# Altium PCB BW2098POE.PcbDoc (part 4 of 4) (continued)
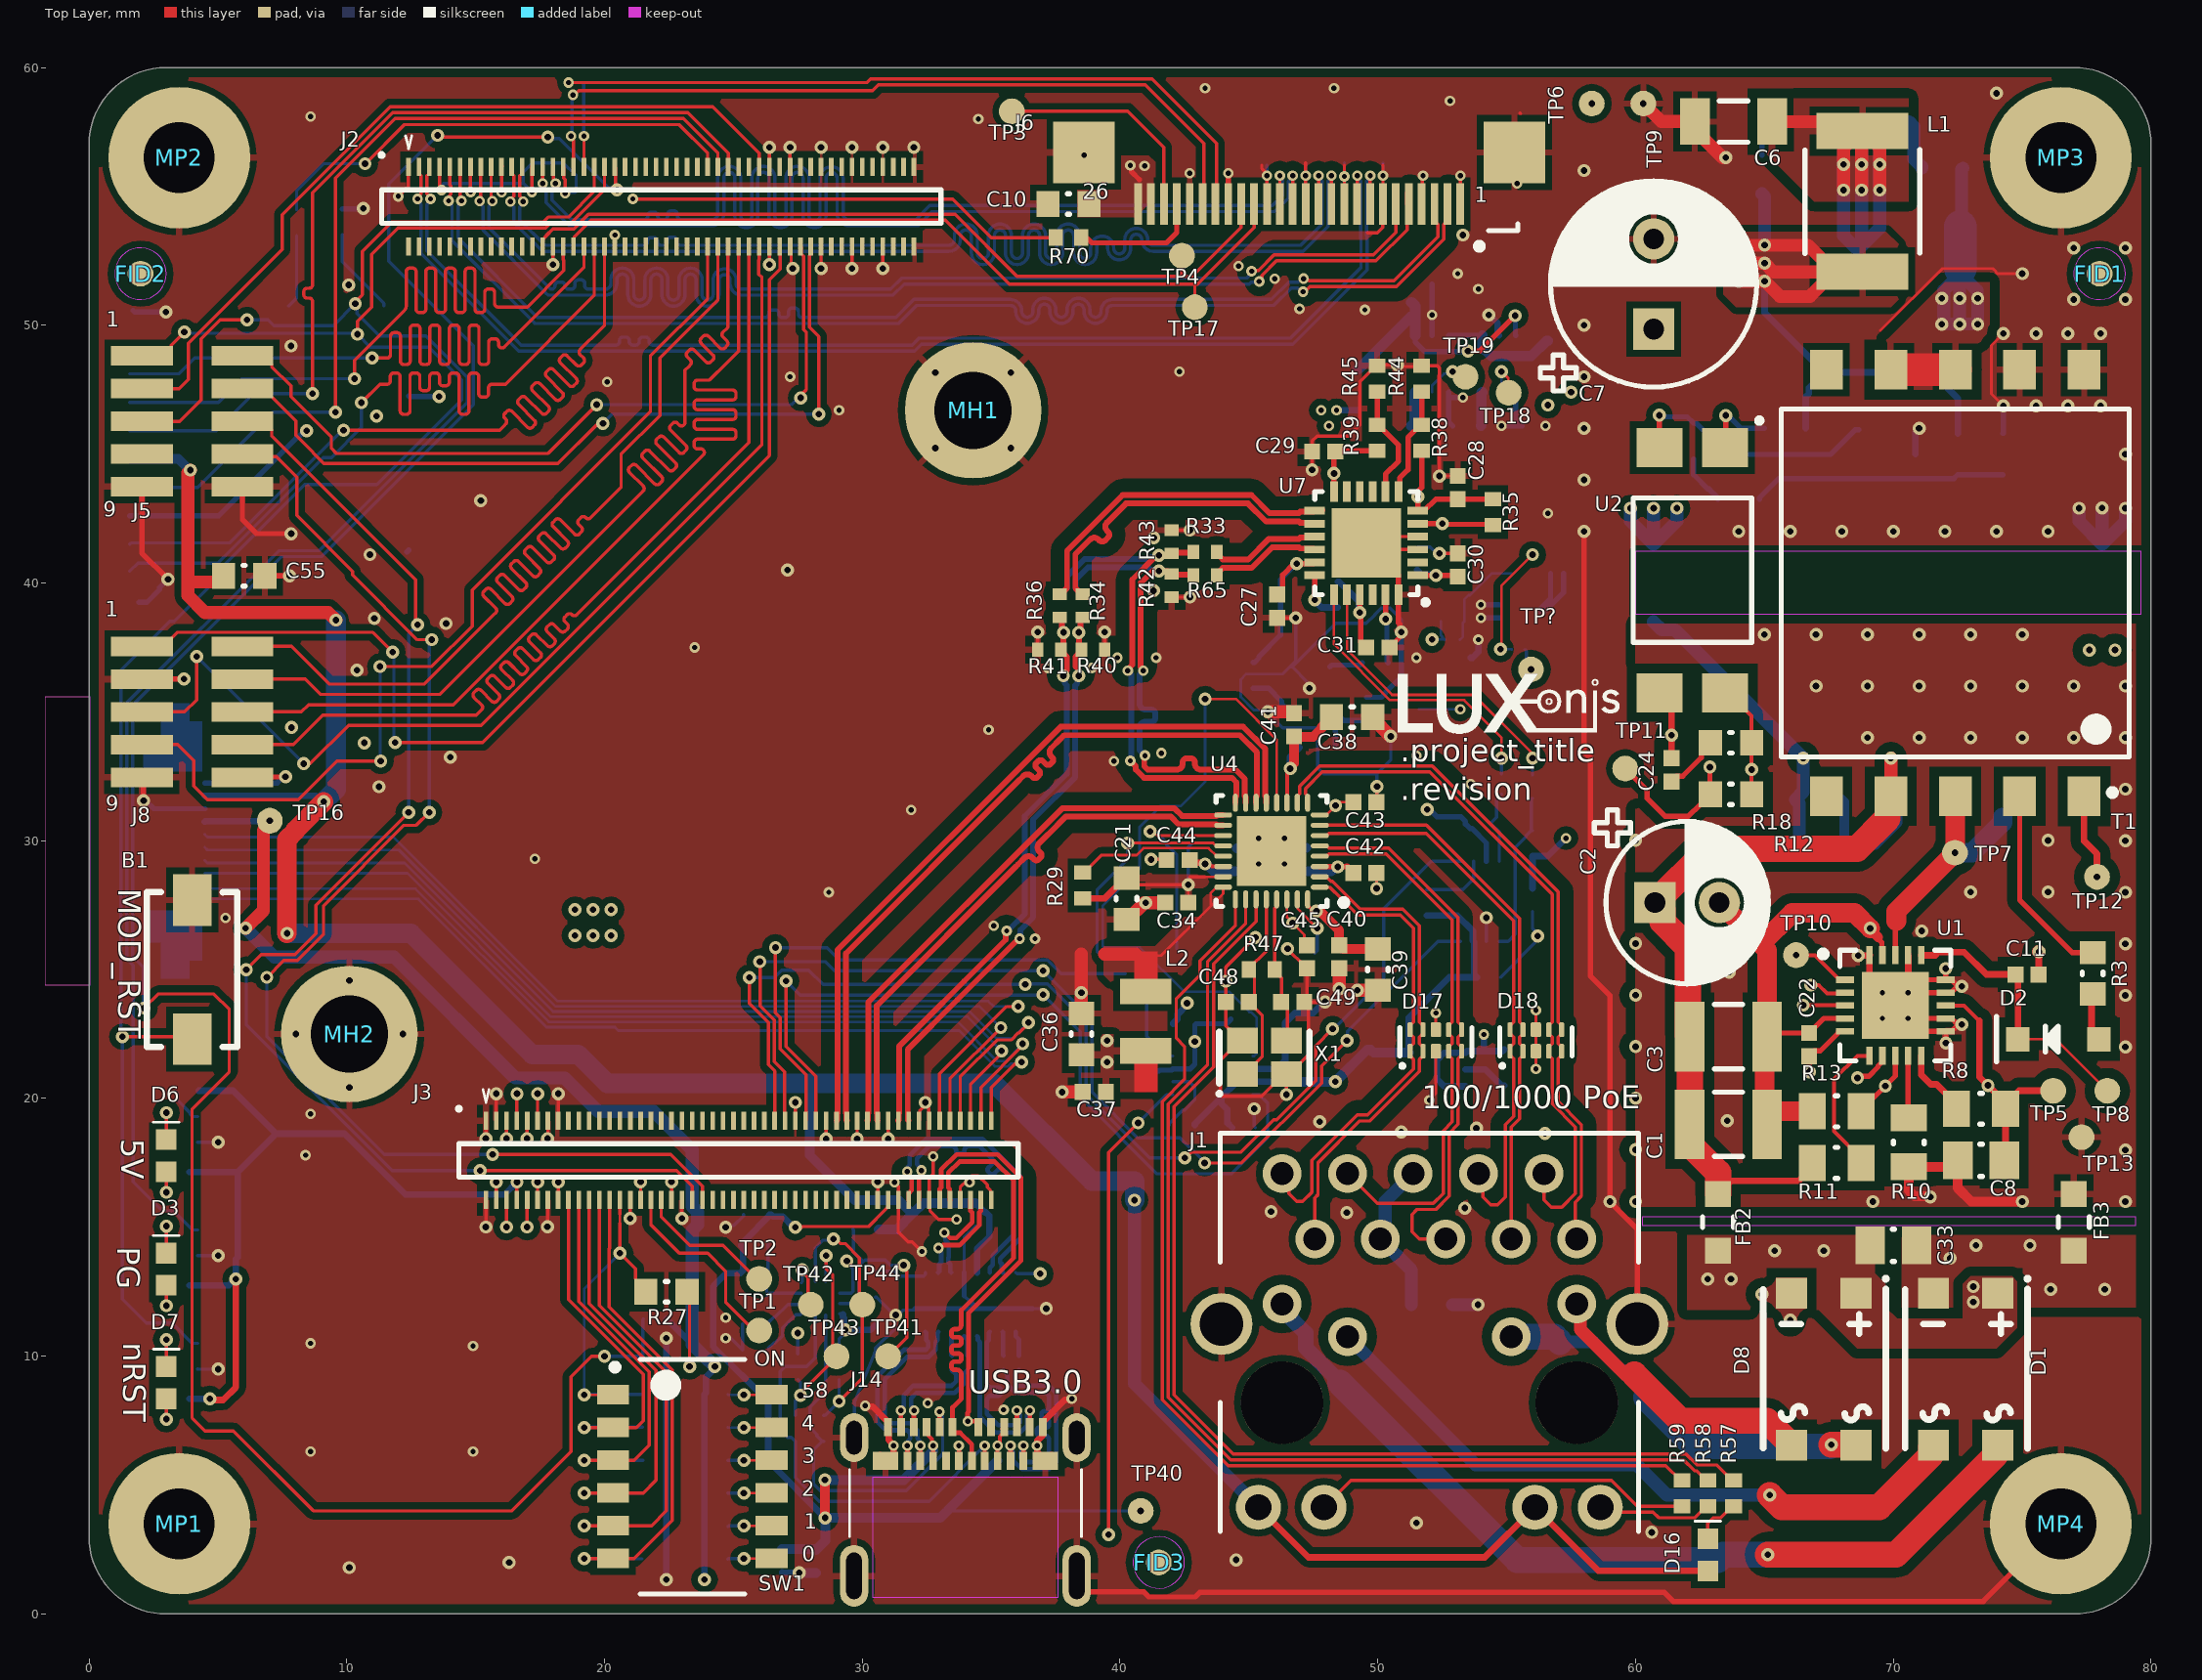
[diagram p0: Top Layer view]
## Nets (pads, with @x,y where several pads share a name; then routed paths per layer and width w, separated by ;. In a path a pad name is that pad's centre, name@x,y a point inside that pad or via, vN(x,y) a via of type N, cw(c..) or ccw(c..) an arc to the next point about the centre after c; other vN are vias at no path point) (continued)
  Bottom Layer w0.178: v2(32.004,7.9) 32.004,7.962 31.89,8.076 31.89,8.37 32.095,8.575 33.582,8.575 33.915,8.908 33.915,9.29 34.075,9.45 C209.1@34.075,9.47
TXB_P: C208.1 J14.A2 | length 4
  Top Layer w0.178: v2(31.496,7.9) 31.498,7.898 31.498,7.252 J14.A2@31.5,7.25
  Bottom Layer w0.178: v2(31.496,7.9) 31.496,7.962 31.61,8.076 31.61,8.486 31.979,8.855 33.466,8.855 33.635,9.024 33.635,9.29 33.475,9.45 C208.1@33.475,9.47
TXC1_N: C212.2 U61.12 | length 1
  Bottom Layer w0.178: U61.12@35.95,10.95 35.95,10.775 36.075,10.65 C212.2@36.075,10.03
TXC1_P: C211.2 U61.13 | length 0.9
  Bottom Layer w0.178: U61.13@35.45,10.95 35.463,10.938 35.463,10.043 C211.2@35.475,10.03
TXC_N: C212.1 J14.B3 | length 8.1
  Top Layer w0.178: J14.B3@35.75,5.95 v2(35.75,6.535)
  Bottom Layer w0.178: v2(35.75,6.535) 35.794,6.491 35.794,6.326 35.86,6.26 35.86,5.949 36.194,5.615 37.252,5.615 37.482,5.845 37.496,5.845 37.529,5.879 37.529,6.543 37.524,6.548 37.524,8.578 37.238,8.865 36.072,8.865 35.915,9.021 35.915,9.29 36.075,9.45 C212.1@36.075,9.47
TXC_P: C211.1 J14.B2 | length 8.3
  Top Layer w0.178: J14.B2@36.25,5.95 v2(36.25,6.535)
  Bottom Layer w0.178: C211.1@35.475,9.47 35.475,9.45 35.635,9.29 35.635,8.906 35.956,8.585 37.122,8.585 37.207,8.501 37.245,8.462 37.245,8.046 cw(c37.067,8.046) 37.067,7.868 ccw(c37.067,7.758) 36.957,7.758 36.957,7.663 ccw(c37.067,7.663) 37.067,7.553 37.135,7.553 cw(c37.135,7.443) 37.245,7.443 37.245,7.349 cw(c37.135,7.349) 37.135,7.239 36.883,7.239 ccw(c36.883,7.129) 36.773,7.129 36.773,7.034 ccw(c36.883,7.034) 36.883,6.924 37.067,6.924 cw(c37.067,6.746) 37.245,6.746 37.245,6.658 37.245,6.548 37.24,6.543 37.24,5.999 37.136,5.895 36.31,5.895 36.14,6.065 36.14,6.26 36.206,6.326 36.206,6.491 v2(36.25,6.535)
UART_RX: J3.42 J5.6 | length 51.2
  Top Layer w0.127: J5.6@5.451,46.27 6.77,46.27 7.087,45.954 7.087,45.713 12.675,40.125 12.675,38.453 v1(12.748,38.38) ; v1(6.1,25) 6.685,25.585 7.985,25.585 8.8,26.4 8.8,27.5 v1(12.4,31.1) ; v1(15.175,17.2) 22.801,17.2 23.4,16.601 J3.42@23.4,16.06
  Bottom Layer w0.127: v1(6.1,25) 6.1,22.866 11.766,17.2 v1(15.175,17.2) ; v1(12.4,31.1) 12.4,38.032 v1(12.748,38.38)
UART_TX: J3.44 J5.8 | length 49.8
  Top Layer w0.127: J5.8@5.95,45 6.046,44.904 7.266,44.904 8.061,44.109 8.061,42.618 10.225,40.454 10.225,40.311 12.736,37.8 v1(13.3,37.8) ; v1(6.9,24.7) 7.557,25.357 8.08,25.357 9.1,26.377 9.1,27.477 12.223,30.6 12.7,30.6 v1(13.2,31.1) ; v1(15.656,17.83) 22.57,17.83 23.8,16.601 J3.44@23.8,16.06
  Bottom Layer w0.127: v1(6.9,24.7) 6.9,22.389 11.459,17.83 v1(15.656,17.83) ; v1(13.2,31.1) 13.2,37.7 v1(13.3,37.8)
USB_CM: R31.1 U62.3 | length 2.1
  Bottom Layer w0.127: R31.1@26.35,10.25 26.35,10.3 26.562,10.512 26.612,10.512 26.901,10.802 26.901,11.101 27.414,11.614 27.589,11.614 U62.3@27.625,11.651
USB_D_N: J3.90 J14.A7 J14.B7 | length 17.4
  Top Layer w0.178: J3.90@33,16.06 J3.90@33,16.06 33.001,16.478 33.06,16.537 33.06,17.235 33.657,17.832 35.254,17.832 36.148,16.938 36.148,13.703 34.12,11.675 34.12,7.843 34.083,7.805 34.083,7.599 v2@34.099,7.582 ; v2(33.746,6.527) 33.748,6.525 33.748,5.953 J14.B7@33.75,5.95 ; v2(34.099,7.476) 34.439,7.476 34.5,7.415 J14.A7@34.5,7.25
  Layer 2 w0.087: v2(33.746,6.527) 33.764,6.545 33.764,6.843 34.098,7.177 34.098,7.475 v2(34.099,7.476)
USB_D_P: J3.92 J14.A6 J14.B6 | length 18.1
  Top Layer w0.178: J3.92@33.4,16.06 33.399,16.061 33.399,16.478 33.34,16.537 33.34,17.12 33.773,17.553 35.138,17.553 35.869,16.822 35.869,13.819 33.84,11.791 33.841,11.63 33.841,11.541 33.84,11.226 cw(c33.663,11.226) 33.663,11.048 33.57,11.048 ccw(c33.57,10.938) 33.46,10.938 33.46,10.844 ccw(c33.57,10.844) 33.57,10.734 33.73,10.734 cw(c33.73,10.624) 33.84,10.624 33.84,10.529 cw(c33.73,10.529) 33.73,10.419 33.57,10.419 ccw(c33.57,10.309) 33.46,10.309 33.46,10.215 ccw(c33.57,10.215) 33.57,10.105 33.73,10.105 cw(c33.73,9.995) 33.84,9.995 33.84,9.9 cw(c33.73,9.9) 33.73,9.79 33.57,9.79 ccw(c33.57,9.68) 33.46,9.68 33.46,9.586 ccw(c33.57,9.586) 33.57,9.476 33.663,9.476 cw(c33.663,9.298) 33.84,9.298 33.84,8.575 33.84,8.486 33.84,8.357 33.5,8.017 J14.A6@33.5,7.25 33.5,7.09 33.561,7.029 33.8,7.029 34.25,6.579 J14.B6@34.25,5.95
USB_PORT: R32.1 U62.4 | length 1.6
  Bottom Layer w0.127: R32.1@26.35,11.25 26.35,11.3 26.562,11.512 26.612,11.512 27.114,12.014 27.589,12.014 U62.4@27.625,12.051
USB_RX_N: J3.96 U61.4 | length 4
  Top Layer w0.178: v2(33.184,14.791) 33.202,14.791 33.402,14.591 33.648,14.591 34.26,15.203 34.26,15.583 34.201,15.642 34.201,16.059 J3.96@34.2,16.06
  Bottom Layer w0.178: v2(33.184,14.791) 33.227,14.747 33.227,14.491 33.354,14.365 33.354,13.834 33.34,13.82 33.34,13.648 33.414,13.574 33.414,13.286 U61.4@33.45,13.25
USB_RX_P: J3.98 U61.3 | length 4
  Top Layer w0.178: v2(32.96,14.201) 33.022,14.201 33.132,14.311 33.764,14.311 34.54,15.087 34.54,15.583 34.599,15.642 34.599,16.059 J3.98@34.6,16.06
  Bottom Layer w0.178: U61.3@32.95,13.25 32.986,13.286 32.986,13.574 33.06,13.648 33.06,14.039 32.96,14.14 v2(32.96,14.201)
USB_TX_N: J3.84 U61.8 | length 11.1
  Top Layer w0.178: v2(31.743,17.159) 31.743,17.1 31.919,16.925 31.919,16.439 31.8,16.32 J3.84@31.8,16.06
  Bottom Layer w0.178: v2(31.743,17.159) 31.787,17.203 31.787,17.364 31.843,17.42 31.843,17.796 32.475,18.428 34.667,18.428 36.144,16.951 36.144,14.587 35.346,13.789 35.346,13.642 35.414,13.574 35.414,13.286 U61.8@35.45,13.25
USB_TX_P: J3.86 U61.7 | length 11.2
  Top Layer w0.178: 32.199,16.478 J3.86@32.2,16.06 J3.86@32.2,16.06 ; 32.198,16.479 32.198,16.95 32.254,17.005 32.254,17.167 v2(32.298,17.21)
  Bottom Layer w0.178: v2(32.298,17.21) 32.298,17.269 32.122,17.445 32.122,17.68 32.59,18.149 33.062,18.149 33.465,18.149 cw(c33.465,17.971) 33.643,17.971 ccw(c33.753,17.971) 33.753,17.861 33.847,17.861 ccw(c33.847,17.971) 33.957,17.971 cw(c34.135,17.971) 34.135,18.149 34.551,18.149 34.608,18.092 34.728,17.972 34.791,17.909 34.794,17.906 35.014,17.686 cw(c34.888,17.561) 35.014,17.435 34.89,17.311 ccw(c34.968,17.233) 34.89,17.156 34.957,17.089 ccw(c35.035,17.167) 35.113,17.089 35.236,17.213 cw(c35.362,17.087) 35.488,17.213 35.789,16.911 35.852,16.848 35.865,16.835 35.865,14.703 35.067,13.905 35.067,13.542 34.95,13.425 U61.7@34.95,13.25
VBUS: C73.2 C207.2 J3.80 J14.A4 J14.A9 J14.B4 J14.B9 R52.1 R183.2 R187.1 R190.1 TP40.1 | length 48.8
  Top Layer w0.127: v1@27.433,14.9 27.537,14.9 27.67,15.033 30.247,15.033 30.855,15.642 30.855,15.655 31,15.8 J3.80@31,16.06
  Top Layer w0.152: J14.B4@35.248,5.949 J14.B4@35.25,5.95 v2(35.25,6.535) 35.25,6.603 35.332,6.685 35.332,6.887 35.421,6.977 35.426,6.977 35.5,7.05 J14.A9@35.5,7.25 J14.A9@35.426,7.177
  Top Layer w0.158: J14.A4@32.5,7.25 32.571,7.179 32.571,6.924 32.703,6.792 32.703,6.582 v2(32.75,6.535) J14.B9@32.75,5.95
  Top Layer w0.381: v1(28.549,5.2) 28.555,5.194 28.555,3.737 v1(28.561,3.731)
  Bottom Layer w0.127: v2@32.75,6.334 v2(32.75,6.535) ; 33.216,3.916 33.3,4 v1(40.8,4) ; 35.248,5.949 35.25,5.95 v2(35.25,6.535)
  Bottom Layer w0.254: R190.1@25.295,14.295 R190.1@25.4,14.4 25.369,14.369 25.369,13.324 25.266,13.221 24.724,13.221 24.217,12.715 24.217,10.373 26.346,8.244 26.346,5.941 28.556,3.731 v1(28.561,3.731) ; R190.1@25.4,14.45 R183.2@26.45,15.5 ; R183.2@26.4,15.5 R183.2@26.45,15.5 ; v1(27.4,15) 27.331,15 26.907,15.424 26.526,15.424 R183.2@26.45,15.5 ; v2(48.4,46.7) R52.1@49.2,46.7
  Bottom Layer w0.381: C73.2@26.887,2.52 28.18,2.52 C207.2@28.21,2.49 28.561,2.841 v1(28.561,3.731) 33.031,3.731 33.216,3.916 ; v1(28.549,5.2) 31.616,5.2 v2@32.75,6.334 ; 33.3,4 35.248,5.949
  other v2: 48.1,46.1 47.8,46.7
VBUS_DET: C14.2 R187.2 R190.2 U62.5 | length 3.5
  Bottom Layer w0.127: R190.2@26.4,14.4 26.338,14.338 R187.2@26.338,13.294 26.291,13.246 C14.2@26.291,12.349 26.392,12.451 U62.5@27.625,12.451
VDD: C22.2 R12.2 TP11.1 U1.5 | length 21.9
  Top Layer w0.203: TP11.1@59.6,32.8 60.449,31.951 60.449,31.647 61.146,30.95 62.05,30.95 62.502,31.402 62.552,31.402 62.9,31.75 R12.2@62.9,31.8 62.882,31.818 v1(62.882,32.856) ; v1(66.744,21.039) 66.744,21.629 C22.2@66.733,21.64 66.942,21.848 67.165,21.848 67.878,22.562 67.878,22.584 67.901,22.607 U1.5@68.126,22.607
  Layer 3 w0.203: v1(62.882,32.856) 62.882,31.843 65.737,28.988 65.737,27.48 65.321,27.065 65.321,22.462 v1(66.744,21.039)
VDD_5V: C12.2 C13.2 C56.2 C76.2 J3.5 J3.6 J3.7 J3.8 J3.9 J3.10 J3.11 J3.12 R53.2 R54.2 R55.2 R56.2 R213.2 R214.2 U8.6 U11.6 U12.2 U12.3 U12.10 U62.12 | length 63
  Top Layer w0.102: v1(54.759,37.434) 54.8,37.475 54.8,39.9 v1(56,41.1)
  Top Layer w0.127: v1(16.196,15.013) 16.198,15.015 16.198,16.058 J3.6@16.2,16.06 ; v1(16.196,18.443) 16.198,18.445 16.198,19.138 J3.5@16.2,19.14 ; J3.8@16.6,16.06 16.602,16.062 16.602,16.75 16.6,16.753 v1(16.604,16.757) ; J3.7@16.6,19.14 16.602,19.142 16.602,20.185 v1(16.604,20.187) ; v1(16.996,15.013) 16.998,15.015 16.998,16.058 J3.10@17,16.06 ; v1(16.996,18.443) 16.998,18.445 16.998,19.138 J3.9@17,19.14 ; J3.12@17.4,16.06 17.402,16.062 17.402,16.75 17.4,16.753 v1(17.404,16.757) ; J3.11@17.4,19.14 17.402,19.142 17.402,20.185 v1(17.404,20.187)
  Top Layer w0.254: v1(4.689,8.35) 4.737,8.301 4.917,8.301 5.201,8.301 5.7,8.8 v1(5.7,13)
  Layer 3 w0.508: v1(16.996,15.013) 17.174,14.835 17.174,14.774 17.531,14.417 19.096,14.417 19.288,14.61 23.791,14.61 v1(27.5,10.9) 29.168,10.9 29.293,11.025 v1(29.334,11.025)
  Bottom Layer w0.102: v1(54.759,37.434) 55.191,37.434 U12.10@55.2,37.425
  Bottom Layer w0.127: R214.2@27.5,10.1 v1(27.5,10.9) ; R213.2@29.1,10.1 29.1,10.688 29.334,10.922 v1(29.334,11.025) ; U62.12@29.125,11.651 29.221,11.651 U62.12@29.248,11.623
  Bottom Layer w0.254: R53.2@3.9,12.75 5.424,12.75 5.687,13.013 v1@5.7,13.026 ; R56.2@3.9,8.35 R56.2@3.95,8.35 v1(4.689,8.35) v1@4.737,8.301 ; R55.2@3.9,17.15 5.773,17.15 ; R54.2@4.25,20.3 5.59,20.3 7.254,18.636 7.26,18.636 ; v1(5.7,13) v1@5.7,13.026 ; 5.771,16.07 5.771,13.834 5.7,13.763 v1@5.7,13.026 ; 5.771,16.07 5.771,17.147 5.773,17.15 ; v1(16.604,16.757) 16.122,16.274 12.279,16.274 9.917,18.636 7.26,18.636 ; U62.12@29.248,11.623 29.248,11.528 29.3,11.476 29.3,11.025 v1(29.334,11.025) 30.325,11.025 C76.2@30.5,11.2 ; 5.773,17.15 7.26,18.636
  Bottom Layer w0.4: C13.2@51.3,46.1 51.425,46.225 51.425,47.375 U11.6@51.45,47.4 ; C12.2@54,46.1 54.025,46.125 54.025,47.375 U8.6@54.05,47.4
  other v1: 18.854,26.328 19.554,26.328 20.254,26.328 18.854,27.328 19.554,27.328 20.254,27.328
VNEG: C8.1 FB3.2 R10.1 TP13.1 U1.7 U1.11 U1.12 U1.14 U1.15 U1.17 U1.20 U1.21 | length 18.4
  Top Layer w0.203: v1(68.608,20.799) 68.666,20.858 69.039,20.858 69.405,21.223 69.405,21.26 69.576,21.432 U1.7@69.576,21.657 ; U1.21@71.188,22.607 U1.11@72.026,22.607 ; U1.21@71.188,23.107 U1.12@72.026,23.107 72.251,23.107 72.411,22.948 72.574,22.948 v1(72.651,22.87) 72.574,22.792 72.437,22.792 72.251,22.607 U1.11@72.026,22.607 ; U1.21@71.188,24.107 U1.14@72.026,24.107 72.251,24.107 72.422,24.278 72.574,24.278 v1(72.651,24.356) 72.574,24.433 72.425,24.433 72.251,24.607 U1.15@72.026,24.607 ; U1.21@71.188,24.607 U1.15@72.026,24.607 ; v1(72.026,25.044) U1.15@72.026,24.607 ; v1(72.04,22.157) 72.04,22.593 U1.11@72.026,22.607
  Top Layer w0.254: v1(68.633,25.55) 69.069,25.55 U1.20@69.076,25.557 ; U1.21@69.076,24.719 U1.20@69.076,25.557 ; U1.20@69.083,25.564 U1.20@69.076,25.557 ; U1.21@70.576,24.719 U1.17@70.576,25.557
  Top Layer w0.381: v1(71.434,16.183) 71.41,16.207 70.823,16.207 70.6,16.43 R10.1@70.6,17.35 72.25,17.35 C8.1@72.5,17.6 72.5,16.523 73.023,16 v1(75,16)
  other v1: 60,16 69.2,16 79,16 60,18.013 79,18 63.555,19.135 60,20.013 79,22 60,22.013 60,24.013 79,24 63.627,24.903 60,26.013 79,26 71.1,26.5 79,28 65,28.013 73,28.013 76,28.013 79,30 60,30.013 76,30.013 79,32 69,34 71,34 73,34 75,34 77,34 79,34 67,36 69,36 71,36 73,36 75,36 77,36 79,36 65,38 67,38 69,38 71,38 73,38 75,38
  other v2: 69.576,23.107 70.576,23.107 69.576,24.107 70.576,24.107
VNEG_IN: C33.1 D1.4 D8.4 FB3.1
  other v1: 66,11.4 64.9,12.4 76.1,12.6 78.2,12.6 72.2,13.8 73.2,14.3 75.3,14.3
VPOS: C1.2 C2.1 C3.2 C4.2 C8.2 C26.1 FB2.2 R4.2 R8.1 R11.1 T1.4 TP5.1 U1.2 U1.13 | length 52.4
  Top Layer w0.152: v1(66.8,24.4) 67.101,24.4 67.433,24.068 68.087,24.068 U1.2@68.126,24.107 ; U1.13@72.026,23.607 72.741,23.607 73.333,23.014
  Top Layer w0.254: FB2.2@63.2,16.3 63.7,16.8 66.325,16.8 66.85,17.325 R11.1@66.85,17.5 ; 73.333,23.014 73.333,20.844 v1(73.67,20.508) 74.006,20.172 74.006,19.6 73.952,19.546 R8.1@73.952,19.027 ; R8.1@74.006,19.561 74.045,19.6 R8.1@74.35,19.6 ; C8.2@74.3,17.6 74.35,17.65 R8.1@74.35,19.6 ; TP5.1@76.2,20.3 74.875,20.3 74.35,19.775 R8.1@74.35,19.6
  Top Layer w0.508: T1.4@69.9,31.725 v1(69.9,33.2)
  Top Layer w1.016: C3.2@62.1,21.874 C1.2@62.1,19 62.167,18.933 62.167,18.158 63.2,17.125 FB2.2@63.2,16.3 ; C3.2@62.1,22.4 62.033,22.467 62.033,25.867 61.042,26.858 61.042,27.308 C2.1@60.75,27.6 62.838,29.688 68.587,29.688 69.773,30.873 69.773,31.598 T1.4@69.9,31.725
  Bottom Layer w0.508: C26.1@60.7,38.5 61.021,38.179 61.533,38.179 v1(66.504,33.209) 66.504,31.904 C4.2@66.2,31.6 66.35,31.45 66.35,29.95 R4.2@66.5,29.8
VPOS_IN: C33.2 D1.1 D8.1 FB2.1
  other v1: 73.1,12.1 73.1,12.7 62.8,13 63.7,13 65.4,14.1 67.3,14.1
VSEC: C5.2 D5.2 T1.7 T1.8 | length 14.4
  Top Layer w1.27: T1.7@69.9,48.275 T1.8@72.4,48.275
  Bottom Layer w0.102: D5.2@72.573,51.978 72.595,52 D5.2@72.6,52 D5.2@72.605,52
  Bottom Layer w0.5: v1(71.873,51.043) v1@71.951,51.043 ; D5.2@72.6,53.84 72.65,53.89 72.65,56.05 C5.2@72.7,56.1 ; D5.2@72.605,52 73.249,51.356 73.249,51.067 v1(73.273,51.043) v1(73.273,50.043) v1(72.573,50.043) ; v1@71.951,51.043 71.951,51.356 72.573,51.978 v1(72.573,51.043) v1(72.573,50.043) ; v1@71.951,51.043 71.951,50.121 v1(71.873,50.043) v1(72.573,50.043)
  Bottom Layer w1.27: D5.2@72.6,52.2 D5.2@72.6,53.84
VSS: C1.1 C2.2 C3.1 C11.1 C22.1 C24.1 C25.1 R13.2 T1.1 TP12.1 U1.4 U1.19 U2.3 | length 27.5
  Top Layer w0.203: C3.1@64.998,22.298 C3.1@65.1,22.4 65.24,22.54 C22.1@66.733,22.54 67.301,23.107 U1.4@68.126,23.107 ; 69.409,26.202 69.557,26.054 69.557,25.806 69.576,25.786 U1.19@69.576,25.557
  Top Layer w0.254: U2.3@60.93,35.74 61.4,35.27 v1(61.4,34.1) C24.1@61.4,33.2 ; C11.1@75.638,24.812 v1@75.638,25.694 ; T1.1@77.4,31.75 T1.1@77.4,31.725 77.4,29.993 77.9,29.493 v1(77.9,28.6)
  Top Layer w0.381: v1@69.1,26.566 69.409,26.256
  Top Layer w0.508: v1@75.638,25.694 v1(75.646,25.702)
  Top Layer w0.762: C2.2@63.25,27.6 64.86,25.99 ; C3.1@64.998,22.298 64.998,19.719 65.217,19.5 R13.2@66.85,19.5 ; C1.1@65.1,19 C1.1@65.1,19.374 ; C3.1@65.1,22.4 65.1,25.75 64.86,25.99 ; v1(69.1,26.6) 68.5,27.2 66.071,27.2 64.86,25.99
  other v1: 77.6,37.4 78.6,37.4
VT15V: C11.2 D2.1 TP8.1 U1.16 | length 11
  Top Layer w0.102: D2.1@74.825,22.3 76.3,22.3 TP8.1@78.3,20.3
  Top Layer w0.254: U1.16@71.084,25.557 71.626,25.557 71.748,25.679 72.743,25.679 73.609,24.812 C11.2@74.738,24.812 ; C11.2@74.695,24.856 C11.2@74.738,24.812 ; D2.1@74.825,22.3 74.833,22.308 74.833,24.717 C11.2@74.738,24.812
XI: C48.2 R47.1 U4.28 X1.1 | length 7.8
  Top Layer w0.127: X1.1@44.75,20.95 44.85,20.95 45.515,21.615 45.515,23.235 C48.2@45,23.75 45.212,23.961 45.212,24.789 R47.1@45,25 45,25.05 45.675,25.725 U4.28@45.675,27.725
XO: C49.2 R47.2 U4.29 X1.3 | length 5.7
  Top Layer w0.127: U4.29@46.075,27.725 46.075,27.455 46,27.38 R47.2@46,25 46,24.95 46.271,24.679 46.271,23.771 C49.2@46.25,23.75 46.496,23.503 46.496,22.296 X1.3@46.45,22.25
pads on no net: FID1.1 FID2.1 FID3.1 FID4.1 FID5.1 FID6.1 J1. J2.2 J2.4 J2.6 J2.8 J2.10 J2.12 J2.14 J2.16 J2.18 J2.20 J2.22 J2.24 J2.26 J2.43 J2.44 J2.45 J2.46 J2.47 J2.48 J2.49 J2.50 J2.51 J2.52 J2.53 J2.54 J2.55 J2.56 J2.57 J2.58 J3.17 J3.19 J3.21 J3.23 J3.25 J3.27 J3.29 J3.31 J3.33 J3.35 J3.37 J3.39 J3.41 J3.43 J3.45 J3.46 J3.47 J3.48 J3.49 J3.50 J3.51 J3.52 J3.53 J3.54 J3.55 J3.56 J3.58 J3.60 J3.62 J3.64 J3.66 J3.68 J3.70 J3.72 J3.74 J3.76 J4.11 J4.12 J5.7 J14.A8 J14.B8 T1.5 T1.6 U7.2 U7.9 U7.10 U7.11 U7.22 U10.4 U12.8 U61.1 U61.10 U62.9

## Polygon pours and split planes (outlines as drawn)
GND on Top Layer "L1_GND" (solid, remove dead copper, pour order 469): 0,0 0,60 80,60 80,0
3V3 on Top Layer "3V3_L01_DC" (solid, pour order 426): 39.673,56.588 41.118,56.588 41.4,56.306 41.4,55 40.6,54.2 38.35,54.2 38.35,56.148 38.79,56.588
VNEG on Top Layer "VNEG_L01_P465" (solid, remove dead copper, pour order 465): 60,15.8 60,39.075 79.4,39.075 79.4,15.8
VPOS_IN on Top Layer "VPOS_IN_TL_DCon" (solid, pour order 427): 67.1,11.8 68.6,10.3 74,10.3 74.8,11.1 74.8,12.9 74.6,13.1 73,13.1 72.7,12.8 72.7,11.452 70.148,11.452 69.7,11.9 69.7,12.8 69.281,13.219 69.281,15.1 62,15.1 62,11.8
VNEG_IN on Top Layer "VNEG_IN_L01_P475_Dcon" (solid, pour order 477): 66.7,13.1 66.7,11.4 66.3,11 65.6,11 64.5,12.1 64.5,13.1
3V3 on Top Layer "3V3_L01_P431" (solid, remove dead copper, pour order 431): 40.25,29 40.812,29 41.012,28.8 44,28.8 42.8,27.6 42.65,27.6 42.15,28.1 40.25,28.1
VNEG_IN on Top Layer "VNEG_DCon" (solid, pour order 428): 70.325,15.002 79.398,15.002 79.398,11.9 70.33,11.9 70.33,13.262
VPOS_IN on Top Layer "VPOS_IN_DCon" (solid, pour order 475): 72.884,13.05 74.65,13.05 74.65,11.85 72.85,11.85 72.8,11.9 72.8,12.966
REGOUT on Top Layer "REGOUT_L01_P433" (solid, remove dead copper, pour order 433): 39.364,25.91 41.36,25.91 43.65,28.2 44,28.2 44,26.399 42,24.405 42,24.15 40,24.15 39.364,24.786
PCIE_1V0 on Top Layer "PCIE_1V0_L01_P432" (solid, remove dead copper, pour order 432): 41,22.5 38.5,22.5 38.5,20.25 41,20.25
5V_PoE on Top Layer "5V_POE_L01_P429" (solid, remove dead copper, pour order 429): 70.58,52.77 70.58,51.37 69.91,50.7 63.9,50.7 63.4,51.2 63.4,53.018 64.007,53.625 69.725,53.625
NetC6_2 on Top Layer "NETC6_2_L01_P463" (solid, remove dead copper, pour order 463): 64.725,57 66.925,54.8 67.652,54.8 70.58,54.8 70.58,58.23 70.58,58.8 64.725,58.8
VSEC on Top Layer "VSEC_L01_P460" (solid, remove dead copper, pour order 460): 73.1,49.05 73.731,49.681 73.731,51.667 71.967,51.667 69.265,48.965 69.265,47.5 73.1,47.5
GND on Bottom Layer "L4_GND" (solid, remove dead copper, pour order 481): 0,0 0,60 80,60 80,0
VDD_5V on Bottom Layer "VDD_5V_BL" (solid, remove dead copper, pour order 455): 54.3,41.5 54.7,41.1 55.8,41.1 56,41.3 56.107,41.3 56.107,47 43.439,47 34,47 18,31 18,25 24,25 43.6,44.6 54.3,44.6 54.3,42.4
GND on Bottom Layer "GND_L04_P483_Dcon" (solid, remove dead copper, pour order 483): 25.1,12.7 25.7,12.7 25.7,9.9 25.6,9.8 25.2,9.8 24.446,10.554 24.446,12.046
3V3 on Bottom Layer "3V3_L04_P461_DCon" (solid, remove dead copper, pour order 472): 55.5,36.8 51.9,36.8 51.9,33.775 54.375,33.775 55.5,34.9
VDD_5V on Bottom Layer "VDD_5V_L04_P482_DCon" (solid, remove dead copper, pour order 454): 54.4,42.6 55.7,42.6 56,42.3 56,41.2 56.4,40.8 56.4,39.9 55.5,39.9 55.5,40.8 55.2,41.1 54.7,41.1 54.4,41.4
GND on Bottom Layer "GND_L04_P478" (solid, remove dead copper, pour order 478): 80,40.925 80,60 57.35,60 57.35,40.925
LX1 on Bottom Layer "LX1_L04_P481_DCon" (solid, remove dead copper, pour order 452): 57.5,37.9 57.6,37.8 57.6,34.53 57.47,34.4 56.7,34.4 56.5,34.6 56.5,37.9
VBUS on Bottom Layer "VBUS_L04_P478_DCon" (solid, remove dead copper, pour order 456): 47.5,47.2 49.7,47.2 49.8,47.1 49.8,45.9 49.5,45.6 48,45.6 47.5,46.1
VNEG_IN on Bottom Layer "VNEG_IN_BL_Dcon" (solid, pour order 461): 64.6,10.6 65.2,10 79.4,10 79.4,15 79.398,15.002 70.194,15.002 70.204,11.8 67,11.8 67,12.7 66.6,13.1 65,13.1 64.6,12.7 64.6,11.8
VNEG on Bottom Layer "VNEG_L04_P480" (solid, remove dead copper, pour order 480): 59.5,15.8 59.5,39.075 79.3,39.075 79.3,15.8
5V_PoE on Bottom Layer "5V_POE_L04_P472_DCon" (solid, pour order 482): 56.1,48.4 55.9,48.2 55.9,47 56.3,46.6 57.2,46.6 57.9,47.3 57.9,48.1 57.6,48.4
VSS on Bottom Layer "VSS_L04_P470_DCon" (solid, pour order 468): 79.3,39.075 76.819,39.075 76.819,37.481 77.2,37.1 78.9,37.1 79.3,37.5
VPOS_IN on Bottom Layer "VPOS_IN_L04_P457" (solid, pour order 457): 69.7,15.1 69.8,15 69.8,13.5 70.1,13.2 74.7,13.2 74.9,13 74.9,11.8 67.2,11.8 67.2,12.8 66.6,13.4 64.8,13.4 64.2,12.8 64.201,12.5 62.2,12.499 62.2,15.1
NetC6_2 on Bottom Layer "NETC6_2_L04_P474" (solid, remove dead copper, pour order 474): 71.048,54.6 69.8,55.848 69.8,56.625 69.193,57.232 69.225,57.263 69.225,58.6 68.175,58.6 68.175,57.175 66.188,55.188 66.188,54.6 66.188,52.93 71.048,52.93
GND on Layer 2 "L2_GND" (solid, remove dead copper, pour order 438): 0,0 0,60 80,60 80,0
VPOS on Layer 2 "VPOS_L02_P437" (solid, remove dead copper, pour order 437): 59.55,15.8 59.55,39.075 79.3,39.075 79.3,15.8
GND on Layer 2 "GND_L02_P436" (solid, remove dead copper, pour order 436): 80,40.925 80,60 57.35,60 57.35,40.925
GND on Layer 3 "L3_GND" (solid, remove dead copper, pour order 471): 0,0 0,60 80,60 80,0
3V3 on Layer 3 "3V3_L03_P443" (solid, remove dead copper, pour order 443): 48,44.5 46.487,42.987 46.487,34.423 40,27.936 40,15.694 41.994,15.694 48.419,22.119 55.619,22.119 57.663,24.163 57.663,33.911 52.65,38.924 52.65,42.763 50.8,44.613 48.15,44.613 48.044,44.506
5V_PoE on Layer 3 "5V_POE_L03_P459" (solid, remove dead copper, pour order 459): 58,40.925 51.106,47.819 51.106,53.106 58,60 80,60 80,40.925
VBUS on Layer 3 "VBUS_L03_P440" (solid, pour order 440): 49.8,44.8 48,44.8 46.2,43 46.2,34.5 42,30.3 42,28.4 39.8,26.2 39.8,10.3 35.6,6.1 32.4,6.1 32.3,6.2 32.3,7.4 36.9,12 36.9,26.3 38.2,27.6 38.2,29.8 43.4,35 43.4,44 46.6,47.2 49.8,47.2
VSS on Layer 3 "VSS_L03_P444" (solid, remove dead copper, pour order 444): 59.55,15.8 59.55,39.045 79.3,39.045 79.3,15.8
VDD_5V on Layer 3 "VDD_5V_L03_P442" (solid, remove dead copper, pour order 442): 22,28 22,18.232 17.768,14 13,14 12,15 12,24 16,28
PCIE_1V0 on Layer 3 "PCIE_1V0_L03_P441" (solid, remove dead copper, pour order 441): 39.2,21.055 39.2,25.64 45.283,31.723 48.813,31.723 48.813,28.408 41.459,21.055

## Keep-outs
Top Layer:
  rectangle: 60.262,15.088 79.4,15.412
  rectangle: 60,38.798 79.612,41.215
Bottom Layer:
  lines w0.102: 32.069,44.828 ccw(c34.3,46.7) 37.213,46.7

## Other copper
Bottom Layer:
  pour cut-out: 5.6,26.8 5.6,27.4 5.9,27.4

## Silkscreen, mask and mechanical layers (free items; w line width, h text height)
Top Overlay:
  drawing of 7 lines, arcs and shapes, not listed
  text ".project_title / .revision" at 50.87,31.267 h1.5
  text "MOD_RST" at 0.833,28.137 h1.5 r270
  text "100/1000 PoE" at 51.713,19.31 h1.52
  text "5V" at 0.956,18.438 h1.5 r270
  text "PG" at 0.81,14.237 h1.5 r270
  text "nRST" at 1.022,10.536 h1.5 r270
  text "USB3.0" at 34.12,8.253 h1.52
  text "58" at 27.663,8.188 h1
  text "4" at 27.646,6.914 h1
  text "3" at 27.658,5.648 h1
  text "2" at 27.655,4.373 h1
  text "1" at 27.75,3.103 h1
  text "0" at 27.659,1.838 h1
Bottom Overlay:
  drawing of 15 lines, arcs and shapes, not listed
  text ".project_title / .revision" at 50.891,56.275 h1.5
  text "J5 Header" at 29.882,42.698 h1.5
  text "I2C3_SCL" at 22.2,40.393 h1
  text "MOD_nRST" at 28.253,40.393 h1
  text "I2C3_SDA" at 22.2,39.123 h1
  text "AUX_IO_IRQ" at 28.804,39.123 h1
  text "UART_RX" at 22.2,37.859 h1
  text "2485_PGOOD" at 29.211,37.853 h1
  text "SDIO" at 12.4,37.5 h1.5
  text "UART_TX" at 22.2,36.589 h1
  text "NC" at 24.658,36.5 h1
  text "GND" at 22.2,35.219 h1
  text "GND" at 25.361,35.219 h1
  text "MODULE_JTAG" at 7.317,34.596 h1.5 r90
  text "J8 Header" at 29.882,32.537 h1.5
  text "SPI_SIO0" at 22.2,30.233 h1
  text "SPI_SCK" at 27.203,30.233 h1
  text "SPI_SIO1" at 22.2,28.963 h1
  text "GND" at 25.361,28.88 h1
  text "SPI_SIO2" at 22.2,27.693 h1
  text "SPI_SS_0" at 27.511,27.693 h1
  text "SPI_SIO3" at 22.2,26.423 h1
  text "GPIO6" at 26.114,26.34 h1
  text "GND" at 22.2,25.059 h1
  text "GND" at 25.361,24.675 h1
Board:
  lines w0.1: 0,3 0,57 ; 2.994,60 77,60 ; 2.996,0 77,0 ; 80,3 80,57
  lines w0.102: 0,3 ccw(c3,3) 3,0 ; 0,57 cw(c3,57) 3,60 ; 77,0 ccw(c77,3) 80,3 ; 77,60 cw(c77,57) 80,57
DimTop:
  text "ALL UNITS IN MM" at 54.279,65.498 h2
DimBot:
  text "ALL UNITS IN MM" at 54.279,65.498 h2
Drill Drawing:
  circle w0.254: c83.046,30.023 r0.276
  circle w0.254: c83.046,30.023 r0.46
  circle w0.254: c83.046,25.884 r0.46
  lines w0.254: 82.586,15.304 82.816,15.304 83.046,15.074 83.276,15.304 83.506,15.304 83.276,15.534 83.506,15.764 83.276,15.764 83.046,15.994 82.816,15.764 82.586,15.764 82.816,15.534 82.586,15.304 ; 82.586,17.374 82.816,17.374 82.816,17.144 83.276,17.144 83.276,17.374 83.506,17.374 83.506,17.834 83.276,17.834 83.276,18.064 82.816,18.064 82.816,17.834 82.586,17.834 82.586,17.374 ; 82.586,19.214 83.506,19.214 83.506,20.134 82.586,20.134 82.586,19.214 ; 82.586,21.284 83.046,21.514 83.506,21.284 83.276,21.744 83.506,22.204 83.046,21.974 82.586,22.204 82.816,21.744 82.586,21.284 ; 82.586,24.274 83.506,24.274 83.046,23.354 82.586,24.274 ; 82.586,27.494 83.506,27.494 83.506,28.413 82.586,28.413 82.586,27.494 ; 82.586,32.553 83.506,32.553 83.046,31.633 82.586,32.553 ; 82.586,33.933 82.816,33.933 83.046,33.703 83.276,33.933 83.506,33.933 83.276,34.163 83.506,34.393 83.276,34.393 83.046,34.623 82.816,34.393 82.586,34.393 82.816,34.163 82.586,33.933 ; 82.77,19.398 83.322,19.398 83.322,19.95 82.77,19.95 82.77,19.398 ; 82.77,32.369 83.322,32.369 83.046,31.817 82.77,32.369 ; 82.77,34.025 82.908,34.025 83.046,33.887 83.184,34.025 83.322,34.025 83.184,34.163 83.322,34.301 83.184,34.301 83.046,34.439 82.908,34.301 82.77,34.301 82.908,34.163 82.77,34.025
  lines w0.381: 81.725,14.453 117.585,14.453 ; 81.725,35.152 117.585,35.152 ; 87.044,12.384 87.044,37.222 ; 91.912,12.384 91.912,37.222 ; 101.47,12.384 101.47,37.222 ; 105.596,12.384 105.596,37.222 ; 81.725,12.384 117.585,12.384 117.585,37.222 81.725,37.222 81.725,12.384
  text "Symbol" at 82.967,35.773 h1.2
  text "Count" at 87.665,35.773 h1.2
  text "Hole Size" at 92.533,35.773 h1.2
  text "Plated" at 102.09,35.773 h1.2
  text "Drill Layer Pair" at 106.217,35.773 h1.2
  text "145" at 87.665,33.703 h1
  text "8,00mil (0,203mm)" at 92.533,33.703 h1
  text "PTH" at 102.09,33.703 h1
  text "Top Layer - Bottom Layer" at 106.217,33.703 h1
  text "416" at 87.665,31.633 h1
  text "10,00mil (0,254mm)" at 92.533,31.633 h1
  text "PTH" at 102.09,31.633 h1
  text "Top Layer - Bottom Layer" at 106.217,31.633 h1
  text "4" at 87.665,29.563 h1
  text "23,62mil (0,600mm)" at 92.533,29.563 h1
  text "PTH" at 102.09,29.563 h1
  text "Top Layer - Bottom Layer" at 106.217,29.563 h1
  text "4" at 87.665,27.494 h1
  text "31,50mil (0,800mm)" at 92.533,27.494 h1
  text "PTH" at 102.09,27.494 h1
  text "Top Layer - Bottom Layer" at 106.217,27.494 h1
  text "14" at 87.665,25.424 h1
  text "35,43mil (0,900mm)" at 92.533,25.424 h1
  text "PTH" at 102.09,25.424 h1
  text "Top Layer - Bottom Layer" at 106.217,25.424 h1
  text "4" at 87.665,23.354 h1
  text "40,16mil (1,020mm)" at 92.533,23.354 h1
  text "PTH" at 102.09,23.354 h1
  text "Top Layer - Bottom Layer" at 106.217,23.354 h1
  text "2" at 87.665,21.284 h1
  text "66,93mil (1,700mm)" at 92.533,21.284 h1
  text "PTH" at 102.09,21.284 h1
  text "Top Layer - Bottom Layer" at 106.217,21.284 h1
  text "4" at 87.665,19.214 h1
  text "108,27mil (2,750mm)" at 92.533,19.214 h1
  text "PTH" at 102.09,19.214 h1
  text "Top Layer - Bottom Layer" at 106.217,19.214 h1
  text "2" at 87.665,17.144 h1
  text "118,11mil (3,000mm)" at 92.533,17.144 h1
  text "PTH" at 102.09,17.144 h1
  text "Top Layer - Bottom Layer" at 106.217,17.144 h1
  text "2" at 87.665,15.074 h1
  text "125,98mil (3,200mm)" at 92.533,15.074 h1
  text "PTH" at 102.09,15.074 h1
  text "Top Layer - Bottom Layer" at 106.217,15.074 h1
  text "597 Total" at 87.665,13.005 h1
  text "Slot definitions :" at 82.967,11.556 h1
  text "Routed Path Length" at 89.778,11.556 h1
  text "= Calculated from tool start centre position to tool end centre position." at 98.219,11.556 h1
  text "Hole Length" at 89.778,10.728 h1
  text "= Routed Path Length + Tool Size = Slot length as defined in the PCB layout" at 95.086,10.728 h1

## Dimensions
0,57 to 47,58.178 on DimTop
0,0 to 3.9,45 on DimBot
0,0 to 3.25,30 on DimBot
76.5,56.5 to 0,57 on DimTop
34.3,46.7 to 0,57 on DimTop
3.5,56.5 to 0,57 on DimTop
10.1,22.5 to 0,0 on DimTop
0,0 to 2.994,60 on DimTop
0,0 to 3.5,56.5 on DimTop
0,0 to 22.7,54.6 on DimTop
0,0 to 34.3,46.7 on DimTop
0,0 to 10.1,22.5 on DimTop
0,0 to 25.7,17.6 on DimTop
0,0 to 3.5,3.5 on DimTop
0,0 to 25.2,17.1 on DimTop
0,57 to 22.2,54.1 on DimTop
0,0 to 3.5,3.5 on DimTop
0,0 to 80,3 on DimTop
0,0 to 76.5,3.5 on DimTop
0,0 to 52,8.2 on DimTop
0,0 to 34,6.6 on DimTop
0,0 to 12,1.85 on DimTop

## Text inside footprints (layer, text, board x,y; h text height)
J4: Bottom Overlay "1" at 5.479,26.99 h1 r90; Bottom Overlay "10" at 5.364,33.552 h1 r90; Assembly Notes "Top contact ffc" at 0.292,27.244 h1 r270
J5: Top Overlay "9" at 0.56,42.369 h1; Top Overlay "1" at 0.664,49.727 h1
J6: Top Overlay "26" at 38.55,54.675 h1; Top Overlay "1" at 53.75,54.575 h1
J8: Top Overlay "9" at 0.654,30.944 h1; Top Overlay "1" at 0.633,38.49 h1
SW1: Top Overlay "ON" at 25.814,9.407 h1
U61: Assembly Notes "Based on 0.125 thick stencil" at 36.8,11.995 h0.5